# Altium PCB SEM_BMSv1.3.PcbDoc (part 2 of 2)
Units mil, origin at the board's own origin, x right, y up, seen from the top; angles counter-clockwise.
Board outline 3900 x 3900 mil, 4 copper layers (Top Layer, Signal Layer 2, Signal Layer 1, Bottom Layer), stack 30.634 mil thick; 237 components, 168 nets, 700 pads, 237 vias.
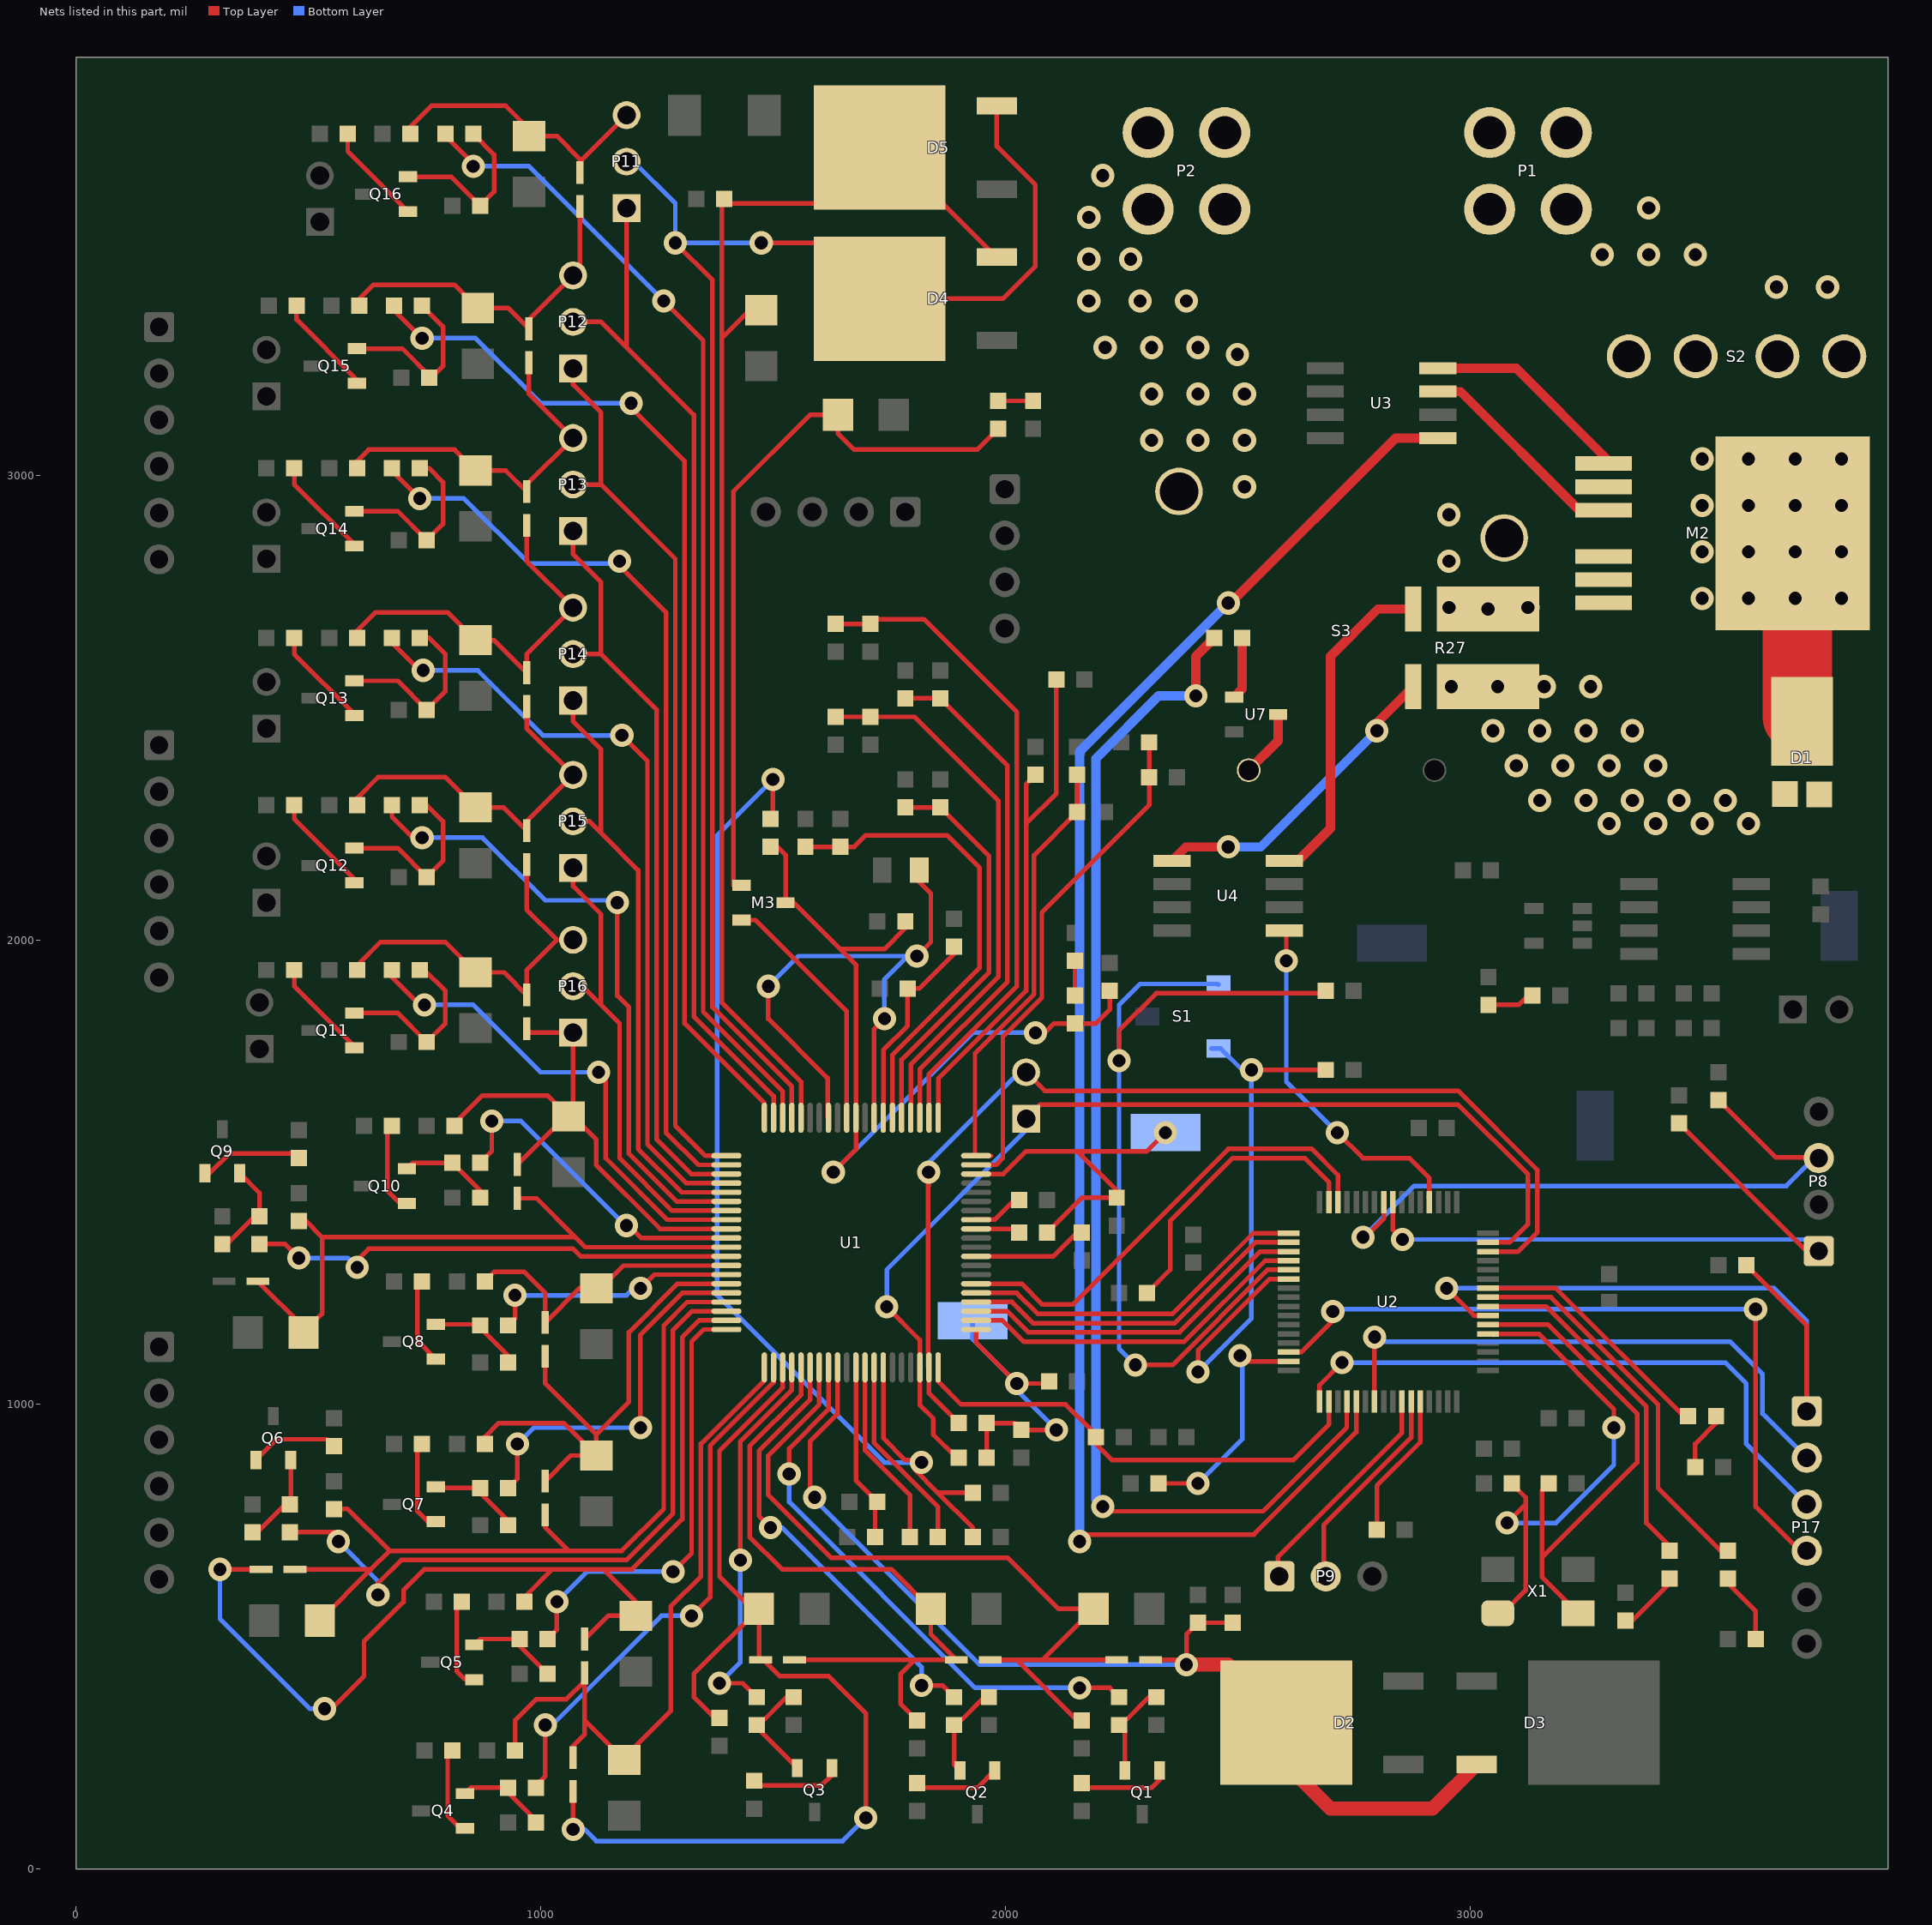
[diagram p4: the nets of this part, all layers, seen from the top]

## Via types
v1: diameter 50, hole 28, Top Layer to Bottom Layer, 162 vias
v2: diameter 50, hole 28, Top Layer to Signal Layer 2, 51 vias
v3: diameter 40, hole 20, Top Layer to Bottom Layer, 16 vias
v4: diameter 300, hole 150, Top Layer to Bottom Layer, 4 vias
v5: diameter 160, hole 118, Top Layer to Bottom Layer, 4 vias

## Nets (pads, with @x,y where several pads share a name; then routed paths per layer and width w, separated by ;. In a path a pad name is that pad's centre, name@x,y a point inside that pad or via, vN(x,y) a via of type N, cw(c..) or ccw(c..) an arc to the next point about the centre after c; other vN are vias at no path point) (continued)
CHARGE: R21.2 S1.1 U2.37 | length 1973
  Top Layer w10: v1(2245,1740) 2245,1805 2325,1885 2685,1885 R21.2@2690,1890 ; v1(2280,1085) 2360,1085 2564.69,1289.69 2600,1289.69 U2.37@2599.69,1290
  Bottom Layer w10: v1(2280,1085) 2245,1120 v1(2245,1740) 2245,1860 2290,1905 2458,1905 S1.1@2459,1904
DISCHARGE: R22.2 S1.3 U2.38 | length 1303.6
  Top Layer w10: v1(2415,1070) 2415,1115.96 2569.04,1270 U2.38@2600,1270 ; v1(2530,1720) 2530,1731.8 v1@2533.2,1735 ; R22.2@2685,1720 2545.7,1720 2539.26,1727.72 2533.94,1734.11 v1@2533.2,1735 ; v1@2533.2,1735 2525,1735 2529.1,1739.92 v1@2533.2,1735
  Bottom Layer w10: v1@2415,1080 v1(2415,1070) 2530,1185 v1(2530,1720) 2510,1720 2464,1766 S1.3@2459,1766 S1.3@2444,1766
EQ1: R37.1 U1.28 | length 1218.6
  Top Layer w10: v1(1535,850) 1535,905 1619.49,989.49 U1.28@1619.49,1079.66 ; v1(2160,390) 2225,390 R37.1@2245,370
  Bottom Layer w10: v1@1545,850 v1(1535,850) 1535,790 1935,390 v1(2160,390)
EQ2: R41.1 U1.26 | length 970.2
  Top Layer w10: v1(1495,735) 1470,760 1470,900 1580.12,1010.12 U1.26@1580.12,1079.66 ; v1(1820,395) 1865,395 R41.1@1890,370
  Bottom Layer w10: v1(1495,735) 1520,735 1820,435 v1(1820,395)
EQ3: R45.1 U1.24 | length 836.6
  Top Layer w10: v1(1385,400) 1435,400 R45.1@1465,370 ; v1(1430,665) 1430,920 1540.75,1030.75 U1.24@1540.75,1079.66
  Bottom Layer w10: v1(1385,400) 1430,445 v1(1430,665)
EQ4: R49.1 U1.22 | length 1163.3
  Top Layer w10: R49.1@990,175 990,180 1010,200 v1(1010,310) ; v1(1325,545) 1365,585 1365,910.96 1501.38,1047.34 U1.22@1501.38,1079.66
  Bottom Layer w10: v1(1010,310) 1025,310 1260,545 v1(1325,545)
EQ5: R53.1 U1.20 | length 932.7
  Top Layer w10: R53.1@1015,495 1035,515 v1(1035,575) ; v1(1285,640) 1325,680 1325,1135 1351.26,1161.26 U1.20@1370,1161.26
  Bottom Layer w10: v1(1035,575) 1100,640 v1(1285,640)
EQ6: R57.1 U1.18 | length 1492.5
  Top Layer w10: R57.1@460,725 555,725 v1@575,705 ; v1(650,590) 650,615 700,665 1185,665 1285,765 1285,1160 1325.63,1200.63 U1.18@1370,1200.63
  Bottom Layer w10: v1(565,705) 650,620 v1(650,590)
EQ7: R61.1 U1.16 | length 775.1
  Top Layer w10: R61.1@930,820 950,840 v1(950,915) ; v1(1215,950) 1215,1150 1305,1240 U1.16@1370,1240
  Bottom Layer w10: v1(950,915) 985,950 v1(1215,950)
EQ8: R65.1 U1.14 | length 520.8
  Top Layer w10: R65.1@930,1170 945,1185 v1(945,1235) ; v1(1215,1250) 1244.37,1279.37 U1.14@1370,1279.37
  Bottom Layer w10: v1(945,1235) 1185,1235 1207.5,1257.5 v1(1215,1250)
EQ9: R69.1 U1.12 | length 1027.8
  Top Layer w10: R69.1@395,1345 450,1345 v1(480,1315) ; v1(605,1295) 605,1310 630,1335 1070,1335 1086.26,1318.74 U1.12@1370,1318.74
  Bottom Layer w10: v1(480,1315) 585,1315 v1(605,1295)
EQ10: R73.1 U1.10 | length 686.8
  Top Layer w10: R73.1@870,1520 895,1545 v1(895,1610) ; v1(1185,1385) 1185,1390 1216.89,1358.11 U1.10@1370,1358.11
  Bottom Layer w10: v1(895,1610) 957.5,1610 1182.5,1385 v1(1185,1385)
EQ11: R77.1 U1.8 | length 1021
  Top Layer w10: R77.1@680,1935 680,1920 740,1860 v1(750,1860) ; v1(1125,1715) 1140,1700 1140,1530 1272.52,1397.48 U1.8@1370,1397.48
  Bottom Layer w10: v1(750,1860) 855,1860 1000,1715 v1(1125,1715)
EQ12: R81.1 U1.6 | length 1359.7
  Top Layer w10: R81.1@680,2290 680,2265 725,2220 v1(745,2220) ; v1(1165,2080) 1165,1880 1190,1855 1190,1540 1293.15,1436.85 U1.6@1370,1436.85
  Bottom Layer w10: v1(745,2220) 875,2220 1010,2085 1160,2085 v1(1165,2080)
EQ13: R85.1 U1.4 | length 1665.3
  Top Layer w10: R85.1@680,2650 680,2640 740,2580 v1(747.5,2580) ; v1(1175,2440) 1230,2385 1230,1560 1313.78,1476.22 U1.4@1370,1476.22
  Bottom Layer w10: v1(747.5,2580) 865,2580 1005,2440 v1(1175,2440)
EQ14: R89.1 U1.2 | length 1980.1
  Top Layer w10: R89.1@680,3015 680,3010 v1(740,2950) ; v1(1170,2815) 1170,2805 1270,2705 1270,1585 1339.41,1515.59 U1.2@1370,1515.59
  Bottom Layer w10: v1(740,2950) 835,2950 975,2810 1165,2810 v1(1170,2815)
EQ15: R93.1 U1.80 | length 2274.5
  Top Layer w10: R93.1@685,3365 685,3355 v1(745,3295) ; v1(1195,3155) 1195,3145 1310,3030 1310,1820 1481.69,1648.31 U1.80@1481.69,1617.06
  Bottom Layer w10: v1(745,3295) 860,3295 1000,3155 v1(1195,3155) v1@1195,3170
EQ16: R97.1 U1.78 | length 2494
  Top Layer w10: R97.1@795,3735 795,3730 855,3670 v1(855,3665) ; v1(1265,3375) 1350,3290 1350,1845 1521.06,1673.94 U1.78@1521.06,1617.06
  Bottom Layer w10: v1@850,3655 855,3660 v1(855,3665) 975,3665 v1@1260,3380
ESW1: P8.1 R19.1 U2.24 | length 1399.9
  Top Layer w10: U2.24@2834.25,1445.2 U2.24@2834.25,1435.35 2834.25,1375.75 v1(2855,1355) ; R19.1@3450,1605 3720,1335 P8.1@3743,1335
  Bottom Layer w10: v1(2855,1355) 3723,1355 P8.1@3743,1335
ESW2: P8.3 R20.1 U2.25 | length 1409.8
  Top Layer w10: v1(2770,1360) 2775,1360 2814.57,1399.57 U2.25@2814.57,1445.2 ; R20.1@3535,1655 3658,1532 P8.3@3743,1532
  Bottom Layer w10: v1(2770,1360) 2880,1470 3681,1470 P8.3@3743,1532
FAULT_N: R5.2 U1.40 U2.50 | length 1023.9
  Top Layer w10: U1.40@1855.71,1079.66 1855.71,1049.29 1905,1000 2130,1000 R5.2@2187.5,942.5 ; R5.2@2185,940 R5.2@2200,940 ; R5.2@2195,930 2195,915 2230,880 2620,880 2696.46,956.46 U2.50@2696.46,996.38
GPIO1: U1.46 U2.30 | length 1008
  Top Layer w10: U1.46@1937.4,1259.78 2035.22,1259.78 2080,1215 2145,1215 2480,1550 2660,1550 2716.14,1493.86 U2.30@2716.14,1445.2
GPIO2: U1.45 U2.33 | length 753.1
  Top Layer w10: U1.45@1937.4,1240.09 2024.91,1240.09 2070,1195 2360,1195 2533.43,1368.43 U2.33@2600,1368.43
GPIO3: U1.44 U2.34 | length 753.4
  Top Layer w10: U1.44@1937.4,1220.41 2014.59,1220.41 2060,1175 2365,1175 2538.74,1348.74 U2.34@2600,1348.74
GPIO4: U1.43 U2.35 | length 753.4
  Top Layer w10: U1.43@1937.4,1200.72 2004.28,1200.72 2049.68,1155.32 2375.32,1155.32 2549.06,1329.06 U2.35@2600,1329.06
GPIO5: U1.42 U2.36 | length 754.6
  Top Layer w10: U1.42@1937.4,1181.04 1993.96,1181.04 2040.32,1134.68 2384.68,1134.68 2559.37,1309.37 2600,1309.37 U2.36@2599.69,1309.68
HP+: P1.2 P1.4 S2.1
  other v1: 3660,3405 3770,3405 3285,3475 3385,3475 3485,3475 3385,3575
HP-: P1.1 P1.3 P2.2 P2.4
I2C_SCL: P9.1 U2.58 | length 475.2
  Top Layer w10: P9.1@2590,639 2587,636 2587,672 2853.94,938.94 U2.58@2853.94,996.38
I2C_SDA: P9.2 U2.59 | length 438.1
  Top Layer w10: P9.2@2686,636 2686,741 2873.62,928.62 U2.59@2873.62,996.38
LED2: D7.1 U2.8 | length 741.3
  Top Layer w10: U2.8@3048.82,1210.94 3164.06,1210.94 3380,995 3380,745 D7.1@3430,695
LED3: D8.1 U2.9 | length 837.6
  Top Layer w10: U2.9@3048.82,1230.63 3174.37,1230.63 3405,1000 3405,820 3540,685 D8.1@3555,685
LED4: D9.1 U2.10 | length 525.2
  Top Layer w10: U2.10@3048.82,1250.32 3184.69,1250.32 D9.1@3460,975
M1IN: D1.2 M2.D S2.2 | length 354.4
  Top Layer w30: D1.2@3705,2480 D1.2@3715,2470
  Top Layer w150: D1.2@3705,2480 M2.D@3705,2820.24
  other v1: 3500,2735 3600,2735 3700,2735 3800,2735 3500,2835 3600,2835 3700,2835 3800,2835 3500,2935 3600,2935 3700,2935 3800,2935 3500,3035 3600,3035 3700,3035 3800,3035
NetC1_1: C1.1 R39.1 U1.27 Z1.2 Z2.1 | length 1743.2
  Top Layer w10: U1.27@1599.8,1079.66 1599.8,999.8 1490,890 1490,805 1625,670 2005,670 2115,560 C1.1@2190,560 2080,450 ; Z2.1@1967.83,450 2025,450 ; R39.1@2165,320 2155,320 2025,450 ; Z1.2@2240,450 2080,450 ; 2025,450 2080,450
NetC2_1: C2.1 R43.1 U1.25 Z2.2 Z3.1 | length 1502.9
  Top Layer w10: Z3.1@1546.42,450 1805,450 ; U1.25@1560.43,1079.66 1560.43,1020.43 1450,910 1450,715 1520,645 1755,645 C2.1@1840,560 1840,505 Z2.2@1895,450 1805,450 ; R43.1@1810,320 1775,355 1775,420 1805,450
NetC3_1: C3.1 R47.1 U1.23 Z3.2 Z4.1 | length 2295.4
  Top Layer w10: v1(1070,85) Z4.1@1070,167.17 ; R47.1@1385,325 1375,325 1330,370 1330,420 C3.1@1470,560 ; U1.23@1521.06,1079.66 1521.06,1036.06 1385,900 1385,630 1455,560 C3.1@1470,560 ; v1(1700,110) 1700,335 1620,415 1515,415 1480,450 Z3.2@1473.58,450 1470,453.58 C3.1@1470,560
  Bottom Layer w10: v1(1070,85) 1095,85 1120,60 1650,60 v1(1700,110)
NetC4_1: C4.1 R51.1 U1.21 Z4.2 Z5.1 | length 1532.6
  Top Layer w10: R51.1@945,255 945,320 990,365 1055,365 Z5.1@1095,405 ; Z4.2@1070,240 1070,265 1095,290 1095,320 ; Z5.1@1095,422.17 Z5.1@1095,405 ; U1.21@1481.69,1079.66 1481.69,1051.69 1345,915 1345,630 1280,565 1280,340 1180,240 C4.1@1180,235 1095,320 ; 1095,320 Z5.1@1095,405
NetC5_1: C5.1 R55.1 U1.19 Z5.2 Z6.1 | length 2324.3
  Top Layer w10: v1(310,645) Z6.1@398.58,645 ; v1(535,345) 550,345 620,415 620,490 705,575 705,600 750,645 1025,645 ; R55.1@965,575 965,585 1025,645 ; Z5.2@1095,495 1145,545 C5.1@1205,545 1205,575 1135,645 ; U1.19@1370,1180.94 1340.94,1180.94 1305,1145 1305,753 1197,645 1135,645 ; 1025,645 1135,645
  Bottom Layer w10: v1(310,645) 310,538.43 503.43,345 v1(535,345)
NetC6_1: C6.1 R59.1 U1.17 Z6.2 Z7.1 | length 1801
  Top Layer w10: Z6.2@471.42,645 635,645 ; C6.1@525,505 C6.1@547,505 ; C6.1@525,535 635,645 ; R59.1@555,775 585,775 675,685 ; Z7.1@1010,762.17 1010,735 1060,685 ; U1.17@1370,1220.32 1315.32,1220.32 1265,1170 1265,775 1175,685 1060,685 ; 635,645 675,685 ; 675,685 1060,685
NetC7_1: C7.1 R63.1 U1.15 Z7.2 Z8.1 | length 1160.7
  Top Layer w10: R63.1@880,915 880,930 910,960 1050,960 C7.1@1120,890 ; Z7.2@1010,835 1065,890 C7.1@1120,890 ; Z8.1@1010,1103.58 1010,1045 1120,935 ; U1.15@1370,1259.68 1294.68,1259.68 1190,1155 1190,1005 1120,935 ; C7.1@1120,890 1120,935
NetC8_1: C8.1 R67.1 U1.13 Z8.2 | length 628.2
  Top Layer w10: R67.1@880,1265 900,1285 965,1285 1010,1240 Z8.2@1010,1176.42 1083.58,1250 C8.1@1120,1250 ; C8.1@1125,1245 1178.69,1298.69 U1.13@1370,1298.69
NetC9_1: C9.1 R71.1 U1.11 Z9.2 Z10.1 | length 1445.5
  Top Layer w10: Z9.2@391.42,1265 490,1166.42 C9.1@490,1155 530,1195 530,1360 ; R71.1@480,1395 495,1395 530,1360 ; Z10.1@950,1443.58 991.42,1443.58 1075,1360 ; U1.11@1370,1338.43 1096.57,1338.43 1075,1360 ; 530,1360 1075,1360
NetC17_1: C17.1 D4.3 D5.2 R1.1 U1.76 | length 2894.1
  Top Layer w10: R1.1@1390,3595 1390,3295 ; R1.1@1395,3595 1405,3585 1610,3585 D5.2@1730,3705 1745,3705 D4.3@1981.1,3468.9 ; C17.1@1475,3350 1445,3350 1390,3295 ; U1.76@1560.43,1617.06 1560.43,1694.57 1390,1865 1390,3295
NetC18_2: C18.2 D2.2 D3.3 R35.1 U1.29 Z1.1 | length 2400.7
  Top Layer w10: v1(1590,800) 1580,810 1580,920 1639.17,979.17 U1.29@1639.17,1079.66 ; Z1.1@2312.83,450 2380,450 v1(2390,440) 2390,505 R35.1@2415,530 C18.2@2490,530 ; D2.2@2480,440 D2.2@2605,315 D2.2@2605,225
  Top Layer w30: v1(2390,440) D2.2@2480,440 ; D2.2@2605,225 2700,130 2919.57,130 D3.3@3014.8,225.24
  Bottom Layer w10: v1(1590,800) 1590,815 1580,805 1945,440 v1(2390,440)
NetC19_1: C19.1 U1.32 | length 404.7
  Top Layer w10: U1.32@1698.23,1079.66 1698.23,901.77 1795,805 C19.1@1795,715
NetC19_2: C19.2 U1.33 | length 421.4
  Top Layer w10: U1.33@1717.91,1079.66 1717.91,917.09 1855,780 C19.2@1855,715
NetC20_2: C20.2 U1.68 U1.73 | length 1269.1
  Top Layer w10: v1(1490,1900) 1490,1830 1617.71,1702.29 1617.71,1618.84 U1.73@1619.49,1617.06 ; U1.68@1717.91,1617.06 1717.91,1807.91 v1(1740,1830) ; v1(1810,1965) 1840,1995 1840,2100 1815,2125 C20.2@1815,2150
  Bottom Layer w10: v1(1490,1900) 1555,1965 v1@1790,1965 ; v1(1740,1830) 1740,1915 v1@1790,1965 ; v1(1810,1965) v1@1790,1965
NetC21_2: C21.2 R8.2 U1.59 | length 1089
  Top Layer w10: U1.59@1937.4,1515.68 1980.68,1515.68 1995,1530 1995,1791.92 2079,1875.92 2079,2059 2310,2290 R8.2@2310,2350 C21.2@2310,2425
NetC22_2: C22.2 R9.2 U1.60 | length 944.5
  Top Layer w10: 1970,1535 1937.77,1535 U1.60@1937.4,1535.37 1935,1537.77 1935,1755.96 2062,1882.96 2062,2182 C22.2@2155,2275 R9.2@2155,2355
NetC23_2: C23.2 R10.2 U1.61 | length 1161.6
  Top Layer w10: U1.61@1855.71,1617.06 1855.71,1700.71 2045,1890 2045,2250 ; C23.2@2065,2355 2045,2335 2045,2250 ; R10.2@2110,2560 2110,2315 2045,2250
NetC24_2: C24.2 R11.2 U1.62 | length 1428.2
  Top Layer w10: R11.2@1635,2680 C24.2@1710,2680 1720,2690 1825,2690 2025,2490 2025,1900 1836.02,1711.02 U1.62@1836.02,1617.06
NetC25_2: C25.2 R12.2 U1.63 | length 1116.1
  Top Layer w10: R12.2@1785,2520 C25.2@1860,2520 2005,2375 2005,1910 1816.34,1721.34 U1.63@1816.34,1617.06
NetC26_2: C26.2 R13.2 U1.64 | length 1185.5
  Top Layer w10: R13.2@1635,2480 C26.2@1710,2480 1805,2480 1985,2300 1985,1920 1796.65,1731.65 U1.64@1796.65,1617.06
NetC27_2: C27.2 R14.2 U1.65 | length 864.3
  Top Layer w10: U1.65@1776.97,1617.06 1776.97,1741.97 1965,1930 1965,2180 C27.2@1860,2285 R14.2@1785,2285
NetC28_2: C28.2 R15.2 U1.66 | length 1030
  Top Layer w10: R15.2@1570,2200 C28.2@1645,2200 1675,2200 1700,2225 1875,2225 1945,2155 1945,1940 1757.28,1752.28 U1.66@1757.28,1617.06
NetC29_1: C29.1 M3.1 R17.2 | length 1559.1
  Top Layer w10: M3.1@1415,2117.4 1415,2965 1580,3130 C29.1@1640,3130 1640,3090 1675,3055 1940,3055 R17.2@1985,3100
NetC31_2: C31.2 C32.2 U1.67 | length 445.7
  Top Layer w10: U1.67@1737.6,1617.06 1737.6,1762.6 1790,1815 C31.2@1790,1895 1815,1895 1890,1970 C32.2@1890,1985
NetC38_2: C38.2 C39.2 U1.31 | length 386
  Top Layer w10: U1.31@1678.54,1079.66 1678.54,836.46 C39.2@1725,790 1720,785 C38.2@1720,715
NetC43_2: C43.2 U2.47 | length 499.4
  Top Layer w10: C43.2@2330,830 v1(2415,830) ; v1(2505,1105) 2517.17,1092.83 U2.47@2600,1092.83
  Bottom Layer w10: v1(2415,830) 2510,925 v1@2510,1105
NetC44_2: C44.2 U2.31 | length 627.7
  Top Layer w10: C44.2@2305,1240 2355,1290 2355,1395 2490,1530 2645,1530 2696.46,1478.54 U2.31@2696.46,1445.2
NetC49_2: C49.2 U2.5 X1.1 | length 1115
  Top Layer w10: U2.5@3050.6,1150.11 3048.82,1151.89 3148.11,1151.89 3310,990 v1(3310,950) ; X1.1@3060,550.51 3070.51,550.51 3120,600 3120,785 ; v1(3080,745) 3120,785 ; C49.2@3090,833 C49.2@3090,830 3120,800 3120,785
  Bottom Layer w10: v1(3080,745) 3185,745 3310,870 v1(3310,950)
NetC50_2: C50.2 U2.6 X1.2 | length 1113.6
  Top Layer w10: U2.6@3048.82,1171.57 3168.43,1171.57 3360,980 3360,875 3155,670 ; C50.2@3160,830 C50.2@3170,830 3155,815 3155,670 ; X1.2@3233.23,550.51 3155,628.74 3155,670
NetC58_1: C58.1 R29.2 | length 75
  Top Layer w10: C58.1@2150,1880 R29.2@2150,1955
NetD7_2: D7.2 R23.1 | length 128.1
  Top Layer w10: R23.1@3335,535 3350,535 D7.2@3430,615
NetD8_2: D8.2 R24.1 | length 144.9
  Top Layer w10: D8.2@3555,615 3615,555 R24.1@3615,495
NetD9_2: D9.2 R25.1 | length 128.6
  Top Layer w10: R25.1@3485,865 3485,915 3530,960 D9.2@3530,975
NetD10_2: D10.2 R28.1 | length 93.3
  Top Layer w10: R28.1@3040,1860 3105,1860 D10.2@3125,1880
NetM2_G: M2.G U3.4 | length 454.3
  Top Layer w10: M2.G@3293.94,3025 M2.G@3293.94,3036.06
  Top Layer w20: U3.4@2931,3230 3100,3230 M2.G@3293.94,3036.06
NetM3_2: M3.2 U1.71 | length 536.6
  Top Layer w10: M3.2@1432.76,2042.6 1462.4,2042.6 1658.86,1846.14 U1.71@1658.86,1617.06
NetP2_1: P2.1 P2.3 S3.4
  other v1: 2515,2975 2315,3075 2415,3075 2515,3075 2315,3175 2415,3175 2515,3175 2500,3260 2215,3275 2315,3275 2415,3275 2180,3375 2290,3375 2390,3375 2180,3465 2270,3465 2180,3555 2210,3645
NetQ1_1: Q1.1 R38.1 | length 198.6
  Top Layer w10: R38.1@2165,185 2175,175 2315,175 2332.4,192.4 Q1.1@2332.4,212.24
NetQ1_2: Q1.2 R36.1 R37.2 | length 207.8
  Top Layer w10: Q1.2@2257.6,212.24 2257.6,297.4 R37.2@2245,310 2250,310 2310,370 R36.1@2325,370
NetQ2_1: Q2.1 R42.1 | length 187
  Top Layer w10: R42.1@1810,185 1820,175 1940.16,175 Q2.1@1977.4,212.24
NetQ2_2: Q2.2 R40.1 R41.2 | length 202.8
  Top Layer w10: Q2.2@1902.6,212.24 1890,224.84 R41.2@1890,310 1895,310 1955,370 R40.1@1965,370
NetQ3_1: Q3.1 R46.1 | length 195.7
  Top Layer w10: R46.1@1460,190 1470,180 1605,180 1627.4,202.4 Q3.1@1627.4,217.24
NetQ3_2: Q3.2 R44.1 R45.2 | length 233.9
  Top Layer w10: R44.1@1545,370 1530,370 1470,310 R45.2@1465,310 1465,304.84 Q3.2@1552.6,217.24
NetQ4_1: Q4.1 R50.1 | length 192.7
  Top Layer w10: R50.1@810,255 800,245 800,115 825,90 834.84,90 Q4.1@837.24,87.6
NetQ4_2: Q4.2 R48.1 R49.2 | length 197.8
  Top Layer w10: Q4.2@837.24,162.4 849.84,175 R49.2@930,175 930,165 990,105 R48.1@990,100
NetQ5_1: Q5.1 R54.1 | length 198.6
  Top Layer w10: R54.1@830,575 820,565 820,425 835,410 854.84,410 Q5.1@857.24,407.6
NetQ5_2: Q5.2 R52.1 R53.2 | length 202.8
  Top Layer w10: Q5.2@857.24,482.4 869.84,495 R53.2@955,495 955,480 R52.1@1015,420
NetQ6_1: Q6.1 R58.1 | length 192
  Top Layer w10: Q6.1@387.6,880.51 432.09,925 540,925 R58.1@555,910
NetQ6_2: Q6.2 R56.1 R57.2 | length 201.4
  Top Layer w10: R56.1@380,725 390,725 450,785 R57.2@460,785 462.4,787.4 Q6.2@462.4,880.51
NetQ7_1: Q7.1 R62.1 | length 197.9
  Top Layer w10: R62.1@745,915 735,905 735,770 757.4,747.6 Q7.1@774.49,747.6
NetQ7_2: Q7.2 R60.1 R61.2 | length 201.4
  Top Layer w10: Q7.2@774.49,822.4 776.89,820 R61.2@870,820 870,810 930,750 R60.1@930,740
NetQ8_1: Q8.1 R66.1 | length 187.9
  Top Layer w10: R66.1@745,1265 735,1255 735,1137.09 Q8.1@774.49,1097.6
NetQ8_2: Q8.2 R64.1 R65.2 | length 201.4
  Top Layer w10: Q8.2@774.49,1172.4 867.6,1172.4 R65.2@870,1170 870,1165 930,1105 R64.1@930,1090
NetQ9_1: Q9.1 R70.1 | length 224
  Top Layer w10: Q9.1@277.6,1497.76 287.76,1497.76 330,1540 470,1540 R70.1@480,1530
NetQ9_2: Q9.2 R68.1 R69.2 | length 215.3
  Top Layer w10: R68.1@315,1345 325,1345 385,1405 R69.2@395,1405 395,1455.16 Q9.2@352.4,1497.76
NetQ10_1: Q10.1 R74.1 | length 197.7
  Top Layer w10: R74.1@680,1600 670,1590 670,1460 697.4,1432.6 Q10.1@712.24,1432.6
NetQ10_2: Q10.2 R72.1 R73.2 | length 202.8
  Top Layer w10: Q10.2@712.24,1507.4 724.84,1520 R73.2@810,1520 870,1460 R72.1@870,1445
NetQ11_1: Q11.1 R78.1 | length 221
  Top Layer w10: R78.1@470,1935 470,1900 599.49,1770.51 Q11.1@599.49,1767.6
NetQ11_2: Q11.2 R76.1 R77.2 | length 381.6
  Top Layer w10: Q11.2@599.49,1842.4 692.6,1842.4 R76.1@755,1780 795,1820 795,1890 750,1935 R77.2@740,1935
NetQ12_1: Q12.1 R82.1 | length 221
  Top Layer w10: R82.1@470,2290 470,2260 599.49,2130.51 Q12.1@599.49,2122.6
NetQ12_2: Q12.2 R80.1 R81.2 | length 380.4
  Top Layer w10: Q12.2@599.49,2197.4 692.6,2197.4 R80.1@755,2135 790,2170 790,2255 755,2290 R81.2@740,2290
NetQ13_1: Q13.1 R86.1 | length 221
  Top Layer w10: R86.1@470,2650 470,2615 599.49,2485.51 Q13.1@599.49,2482.6
NetQ13_2: Q13.2 R84.1 R85.2 | length 387.4
  Top Layer w10: Q13.2@599.49,2557.4 692.6,2557.4 R84.1@755,2495 795,2535 795,2615 760,2650 R85.2@740,2650
NetQ14_1: Q14.1 R90.1 | length 221
  Top Layer w10: R90.1@470,3015 470,2980 599.49,2850.51 Q14.1@599.49,2847.6
NetQ14_2: Q14.2 R88.1 R89.2 | length 383.3
  Top Layer w10: Q14.2@599.49,2922.4 692.6,2922.4 R88.1@755,2860 790,2895 790,2985 760,3015 R89.2@740,3015
NetQ15_1: Q15.1 R94.1 | length 221
  Top Layer w10: R94.1@475,3365 475,3335 604.49,3205.51 Q15.1@604.49,3197.6
NetQ15_2: Q15.2 R92.1 R93.2 | length 370.4
  Top Layer w10: Q15.2@604.49,3272.4 702.6,3272.4 765,3210 790,3235 790,3320 R93.2@745,3365
NetQ16_1: Q16.1 R98.1 | length 221
  Top Layer w10: R98.1@585,3735 585,3697.09 Q16.1@714.49,3567.6
NetQ16_2: Q16.2 R96.1 R97.2 | length 367.4
  Top Layer w10: Q16.2@714.49,3642.4 807.6,3642.4 R96.1@870,3580 900,3610 900,3690 R97.2@855,3735
NetR2_2: R2.2 U1.53 | length 114.3
  Top Layer w10: U1.53@1937.4,1397.57 1977.57,1397.57 R2.2@2030,1450
NetR3_2: R3.2 U1.52 | length 95.9
  Top Layer w10: U1.52@1937.4,1377.89 2022.11,1377.89 R3.2@2030,1370
NetR4_2: R4.2 U1.49 | length 248.8
  Top Layer w10: U1.49@1937.4,1318.83 2103.83,1318.83 2155,1370 R4.2@2165,1370
NetR16_2: R16.2 R17.1 | length 75
  Top Layer w10: R17.1@1985,3160 R16.2@2060,3160
NetR26_2: R26.2 U2.60 | length 305
  Top Layer w10: R26.2@2800,730 2800,825 2893.31,918.31 U2.60@2893.31,996.38
NetR27_3: R27.3 U4.8 | length 689.2
  Top Layer w20: U4.8@2630,2170 2700,2240 2700,2610 2802,2712 R27.3@2878,2712
NetR27_4: R27.4 U4.1 | length 684.3
  Top Layer w20: U4.1@2359,2170 2389,2200 v1(2480,2200) ; v1(2800,2450) 2800,2467 R27.4@2878,2545
  Bottom Layer w20: v1(2480,2200) 2550,2200 v1(2800,2450)
NetR30_1: R30.1 U2.52 | length 2680
  Top Layer w10: v1@2205,770 2555,770 2735,950 2735,995.55 U2.52@2735.83,996.38
  Top Layer w20: v1(2410,2525) 2410,2610 R30.1@2450,2650
  Bottom Layer w20: v1(2210,780) 2195,795 2195,2390 2330,2525 v1(2410,2525)
NetR30_2: R30.2 U7.1 | length 134.7
  Top Layer w20: U7.1@2492.76,2522.4 2510,2539.65 R30.2@2510,2650
NetS3_2: S3.2 U7.3 | length 146.2
  Top Layer w20: S3.2@2524,2365 2587.24,2428.24 U7.3@2587.24,2485
NetU2_20: U2.20 U4.5 | length 765.1
  Top Layer w10: U4.5@2601,2020 2605,2016 v1(2605,1955) ; v1(2715,1585) 2770,1530 2870,1530 2912.99,1487.01 2912.99,1445.2 U2.20@2911.21,1446.98
  Bottom Layer w10: v1(2605,1955) 2605,1695 v1(2715,1585)
NetU2_53: U2.53 U3.1 | length 3481.1
  Top Layer w10: v1@2160,720 2535,720 2755.51,940.51 U2.53@2755.51,1006.22
  Top Layer w20: v1(2480,2725) 2485,2725 2840,3080 U3.1@2931,3080
  Bottom Layer w20: v1@2160,720 2160,2405 v1@2475,2720
  other v1: 2160,705
NRST: C40.2 P17.1 U2.7 | length 1491
  Top Layer w10: v1(2950,1250) 3008.74,1191.26 U2.7@3048.82,1191.26 ; C40.2@3595,1300 3725,1170 P17.1@3725,985
  Bottom Layer w10: v1(2950,1250) 3655,1250 3725,1180 P17.1@3725,985
RELAYIN: R27.1 S3.3
  other v1: 3039,2712 2955,2715 3125,2715 2955,2815 2955,2915
RSENSEIN: D1.1 M2.S R27.2 U3.3 | length 482.7
  Top Layer w10: U3.3@2911,3180 U3.3@2931,3180
  Top Layer w20: U3.3@2931,3180 2980,3180 3235,2925 M2.S@3288.03,2925
  other v1: 3300,2250 3400,2250 3500,2250 3600,2250 3150,2300 3250,2300 3350,2300 3450,2300 3550,2300 3100,2375 3200,2375 3300,2375 3400,2375 3050,2450 3150,2450 3250,2450 3350,2450 2960,2545 3060,2545 3160,2545 3260,2545
SWCLK: P17.3 U2.49 | length 1316.1
  Top Layer w10: U2.49@2676.77,996.38 2676.77,1041.77 v1(2725,1090)
  Bottom Layer w10: v1(2725,1090) 3550,1090 3595,1045 3595,915 P17.3@3725,785
SWDIO: P17.4 U2.46 | length 1661.8
  Top Layer w10: U2.46@2600,1112.52 2637.52,1112.52 2710,1185 2705,1190 v1(2705,1200) ; v1@3615,1195 3615,780 P17.4@3725,670
  Bottom Layer w10: v1@2705,1195 2715,1205 v1(3615,1205) v1@3635,1205
SWO: P17.2 U2.55 | length 1236.2
  Top Layer w10: U2.55@2794.88,996.38 2794.88,1144.88 v1(2795,1145)
  Bottom Layer w10: v1(2795,1145) 2805,1135 3560,1135 3630,1065 3630,980 P17.2@3725,885
"UART TX BMS": P18.1 R6.2 U1.38 U2.15 | length 2275.5
  Top Layer w10: v1(1745,1210) 1816.34,1138.66 U1.38@1816.34,1079.66 1816.34,998.66 1845,970 1845,935 1895,885 R6.2@1900,885 ; P18.1@2045,1615 2075,1645 2975,1645 3125,1495 3125,1387.85 3085.89,1348.74 U2.15@3048.82,1348.74
  Bottom Layer w10: v1(1745,1210) 1745,1290 2045,1590 P18.1@2045,1615
"UART TX STM": P18.2 R7.2 U1.39 U2.14 | length 2326.1
  Top Layer w10: v1(1835,1500) 1834.24,1499.24 1834.24,1081.44 U1.39@1836.02,1079.66 1836.02,1023.98 R7.2@1900,960 ; P18.2@2045,1715 2085,1675 2975,1675 3145,1505 3145,1370 3104.06,1329.06 U2.14@3048.82,1329.06
  Bottom Layer w10: v1@1830,1515 P18.2@2037.5,1722.5 ; 1835,1470 v1(1835,1500)
V5VAO: C33.2 R3.1 TPV5VAO.1 U1.58 | length 760.7
  Top Layer w10: U1.58@1937.4,1496 1996,1496 2045,1545 2155,1545 ; R3.1@2090,1370 2165,1445 C33.2@2240,1445 2240,1460 2155,1545 ; v1(2345,1585) 2305,1545 2155,1545
VDIG: C36.2 C37.2 R18.1 U1.34 | length 2372
  Top Layer w10: R18.1@1500,2260 v1(1500,2345) ; U1.34@1737.6,1079.66 1737.6,927.4 1785,880 1815,880 v1(1820,875) ; v1@1805,860 1855,810 ; C36.2@1930,715 1930,735 1855,810 ; C37.2@1930,810 1855,810
  Bottom Layer w10: v1@1510,2345 v1(1500,2345) 1380,2225 1380,1235 1740,875 v1(1820,875)
VIO: C34.2 C35.2 R6.1 R7.1 TPVIO.1 U1.41 | length 777.6
  Top Layer w10: U1.41@1937.4,1161.35 1937.4,1132.6 v1(2025,1045) ; R6.1@1960,885 R7.1@1960,960 2020,960 C35.2@2035,945 v1(2110,945) ; v1@2035,1055 v1(2025,1045) ; C34.2@2095,1045 v1(2025,1045)
  Bottom Layer w10: TPVIO.1@1930,1180 1930,1140 v1(2025,1045) 2025,1030 v1(2110,945)
VP: C30.2 C57.2 C58.2 M3.3 R18.2 U1.70 | length 1753.9
  Top Layer w10: R18.2@1510,2200 1527.24,2182.76 M3.3@1527.24,2080 1545,2080 1645,1980 ; v1(1630,1500) 1678.54,1548.54 U1.70@1678.54,1617.06 1678.54,1946.46 1645,1980 ; C30.2@1785,2040 1785,2025 1740,1980 1645,1980 ; v1(2065,1800) 2085,1800 2105,1820 C58.2@2150,1820 2195,1820 2225,1850 C57.2@2225,1890
  Bottom Layer w10: v1(1630,1500) 1930,1800 v1(2065,1800)
VS11: P15.1 P16.2 U1.7 | length 989.7
  Top Layer w10: P16.2@1070,1900 1090,1900 1130,1860 ; P15.1@1070,2155 1070,2115 1130,2055 1130,1860 ; U1.7@1370,1417.17 1282.83,1417.17 1170,1530 1170,1820 1130,1860
VS12: P14.1 P15.2 U1.5 | length 1292.1
  Top Layer w10: P15.2@1070,2255 1105,2255 1130,2230 ; P14.1@1070,2515 1070,2470 1130,2410 1130,2230 ; U1.5@1370,1456.54 1303.46,1456.54 1210,1550 1210,2150 1130,2230
VS13: P13.1 P14.2 U1.3 | length 1595.2
  Top Layer w10: P14.2@1070,2615 1130,2615 ; P13.1@1070,2880 1070,2830 1130,2770 1130,2615 ; U1.3@1370,1495.91 1324.09,1495.91 1250,1570 1250,2495 1130,2615
VS14: P12.1 P13.2 U1.1 | length 1887.9
  Top Layer w10: P13.2@1070,2980 1130,2980 ; P12.1@1070,3230 1070,3195 1130,3135 1130,2980 ; U1.1@1370,1535.28 1354.72,1535.28 1290,1600 1290,2820 1130,2980
VS15: P11.1 P12.2 U1.79 | length 2226.8
  Top Layer w10: P12.2@1070,3330 1130,3330 1185,3275 ; P11.1@1185,3575 1185,3275 ; U1.79@1501.38,1617.06 1501.38,1663.62 1330,1835 1330,3130 1185,3275
VS16: D4.2 D5.3 P11.2 U1.77 | length 3583.4
  Top Layer w10: P11.2@1185,3675 P11.2@1200,3675 ; v1(1290,3500) 1370,3420 1370,1855 1540.75,1684.25 U1.77@1540.75,1617.06 ; v1(1475,3500) 1610,3500 D4.2@1730,3380 ; D4.2@1683.23,3480 1783.23,3380 1995,3380 2065,3450 2065,3625 1981.97,3708.03 D5.3@1981.97,3794.76 D5.3@2015.24,3794.76
  Bottom Layer w10: P11.2@1185,3675 1200,3675 1290,3585 v1(1290,3500) v1(1475,3500)
VSENSE10: C10.1 P16.1 R75.1 U1.9 Z10.2 Z11.1 | length 1176.6
  Top Layer w10: R75.1@815,1600 815,1605 875,1665 1015,1665 C10.1@1060,1620 ; Z10.2@950,1516.42 1053.58,1620 C10.1@1060,1620 ; Z11.1@970,1808.58 978.58,1800 P16.1@1070,1800 1070,1630 C10.1@1060,1620 ; U1.9@1370,1377.8 1257.2,1377.8 1120,1515 1120,1570 1070,1620 C10.1@1060,1620
VSENSE11: C11.1 P16.3 R79.1 Z11.2 Z12.1 | length 777.4
  Top Layer w10: R79.1@605,1935 605,1945 655,1995 795,1995 C11.1@860,1930 921.42,1930 Z11.2@970,1881.42 970,1935 1035,2000 970,2065 Z12.1@970,2162.17
VSENSE12: C12.1 P15.3 R83.1 Z12.2 Z13.1 | length 796.3
  Top Layer w10: R83.1@605,2290 605,2305 650,2350 795,2350 C12.1@860,2285 920,2285 Z12.2@970,2235 970,2255 P15.3@1070,2355 970,2455 Z13.1@970,2502.17
VSENSE13: C13.1 P14.3 R87.1 Z13.2 Z14.1 | length 850.4
  Top Layer w10: R87.1@605,2650 605,2665 645,2705 800,2705 C13.1@860,2645 900,2645 Z13.2@970,2575 970,2615 P14.3@1070,2715 970,2815 Z14.1@970,2892.17
VSENSE14: C14.1 P13.3 R91.1 Z14.2 Z15.1 | length 785.6
  Top Layer w10: R91.1@605,3015 605,3030 630,3055 815,3055 C14.1@860,3010 925,3010 Z14.2@970,2965 970,2980 P13.3@1070,3080 975,3175 Z15.1@975,3242.17
VSENSE15: C15.1 P12.3 R95.1 Z15.2 Z16.1 | length 740.9
  Top Layer w10: R95.1@610,3365 610,3380 640,3410 815,3410 C15.1@865,3360 930,3360 Z15.2@975,3315 975,3335 P12.3@1070,3430 1085,3445 Z16.1@1085,3578.58
VSENSE16: C16.1 P11.3 R99.1 Z16.2 | length 631.3
  Top Layer w10: R99.1@720,3735 720,3750 765,3795 925,3795 C16.1@990,3730 ; C16.1@975,3730 C16.1@990,3730 ; Z16.2@1085,3651.42 Z16.2@1085,3675 ; P11.3@1185,3775 Z16.2@1085,3675 ; C16.1@990,3730 1035,3730 1085,3680 Z16.2@1085,3675
pads on no net: D2.1 D3.1 D4.1 D5.1 P5.6 U1.36 U1.47 U1.50 U1.51 U1.54 U1.55 U1.56 U1.57 U1.75 U2.2 U2.3 U2.4 U2.11 U2.16 U2.17 U2.21 U2.22 U2.23 U2.26 U2.27 U2.28 U2.29 U2.39 U2.40 U2.41 U2.42 U2.43 U2.44 U2.45 U2.51 U2.54 U2.56 U2.57 U2.61 U2.62 U3.2 U3.5 U3.6 U3.8 U4.3 U5.5 U5.8 U6.4 X1.3 X1.4
copper on no net:
  other v3: 250,135 3650,135 135,250 365,250 3535,250 3765,250 250,365 3650,365 250,3535 3650,3535 135,3650 365,3650 3535,3650 3765,3650 250,3765 3650,3765
  other v4: 250,250 3650,250 250,3650 3650,3650
  other v5: 2122.5,3745 2657.5,3745 2857.5,3745 3392.5,3745

## Polygon pours and split planes (outlines as drawn)
HP+ on Bottom Layer "HPinBOT" (solid, remove dead copper, pour order 37): 3140,3825 3215,3900 3950,3900 3950,3215 3915,3180 3630,3180 3585,3225 3585,3315 3585,3355 3525,3415 3515,3425 3190,3425 3165,3425 3140,3450
M1IN on Bottom Layer "FETinBOT" (solid, remove dead copper, pour order 29): 3550,3313.79 3550,3329.12 3510,3370 3255,3370 3225,3370 3160,3303.57 3160,3140.04 3160,3124.71 3310,2971.4 3315,2966.29 3315,2828.31 3465,2675 3950,2675 3950,3053.16 3920,3083.82 3710,3083.82 3625,3083.82 3550,3160.48
RELAYIN on Bottom Layer "RELin" (solid, remove dead copper, pour order 34): 3145,2665 3220,2740 3220,2910 3115,3015 2895,3015 2770,2890 2770,2730 2770,2705 2810,2665
RSENSEIN on Bottom Layer "RinBOT" (solid, remove dead copper, pour order 31): 2925,2610 2925,2480 2985,2420 3210,2195 3855,2195 3870,2195 3950,2275 3950,2540 3950,2555 3895,2610
NetP2_1 on Bottom Layer "HPoutBOT" (solid, remove dead copper, pour order 27): 2364.88,3785 2364.88,3830 2296.51,3900 1915.58,3900 1861.86,3900 1730,3765 1730,3560 2228.14,3050 2228.14,2975 2228.14,2915 2281.86,2860 2447.91,2860 2550.47,2965 2570,2985 2570,3230 2364.88,3440 2364.88,3485
HP- on Bottom Layer "HP-" (solid, remove dead copper, pour order 25): 2410,3750 2410,3825 2410,3860 2450,3900 3025,3900 3100,3825 3100,3530 3100,3425 3050,3375 2525,3375 2525,3385 2410,3500
HP+ on Top Layer "HPinTOP" (solid, remove dead copper, pour order 22): 3140,3475 3200,3415 3310,3415 3545,3415 3595,3365 3600,3360 3600,3195 3655,3140 3665,3130 3865,3130 3890,3130 3950,3190 3950,3900 3215,3900 3140,3825
RELAYIN on Top Layer "RELinTOP" (solid, remove dead copper, pour order 33): 2930,2665 2930,2945 2955,2970 3100,2970 3140,2930 3170,2900 3170,2665
RSENSEIN on Top Layer "RinTOP" (solid, remove dead copper, pour order 35): 3950,2340 3540,2340 3355,2525 3350,2530 3350,2710 3350,2990 3225,2990 3225,2840 3225,2645 3225,2625 3205,2605 3195,2595 3155,2595 2925,2595 2925,2480 3030,2375 3185,2220 3950,2220
M1IN on Top Layer "M1inTOP" (solid, remove dead copper, pour order 36): 3950,3085 3685,3085 3670,3085 3640,3085 3565,3160 3555,3170 3555,3330 3550,3330 3520,3360 3515,3365 3370,3365 3295,3365 3240,3310 3235,3305 3235,3250 3235,3210 3325,3120 3335,3110 3410,3110 3425,3110 3450,3085 3455,3080 3455,2910 3455,2550 3610,2395 3625,2380 3630,2375 3950,2375
HP- on Top Layer "HP-TOP" (solid, remove dead copper, pour order 23): 2410,3750 2410,3825 2410,3860 2450,3900 3025,3900 3100,3825 3100,3530 3100,3425 3050,3375 2525,3375 2525,3385 2410,3500
NetP2_1 on Top Layer "PoutTOP" (solid, remove dead copper, pour order 38): 2365,3860 2365,3455 2435,3385 2560,3260 2560,2940 2560,2925 2505,2870 2500,2865 2285,2865 2225,2925 2215,2935 2215,3180 2215,3185 2135,3265 2130,3270 2130,3860 2130,3875 2155,3900 2335,3900
AGND on Signal Layer 2 "GroundLayer" (solid, remove dead copper, pour order 20): 0.89,3904.41 3950.89,3904.41 3950.89,4.41 0.89,4.41
RELAYIN on Signal Layer 1 "RELin" (solid, remove dead copper, pour order 32): 3150,2665 3225,2740 3225,2910 3120,3015 2900,3015 2775,2890 2775,2730 2775,2705 2815,2665
M1IN on Signal Layer 1 "FETin" (solid, remove dead copper, pour order 28): 3550,3313.79 3550,3329.12 3510,3370 3255,3370 3225,3370 3160,3303.57 3160,3140.04 3160,3124.71 3310,2971.4 3315,2966.29 3315,2828.31 3465,2675 3950,2675 3950,3053.16 3920,3083.82 3710,3083.82 3625,3083.82 3550,3160.48
HP+ on Signal Layer 1 "HPin" (solid, remove dead copper, pour order 21): 3140,3475 3200,3415 3310,3415 3545,3415 3595,3365 3600,3360 3600,3195 3655,3140 3665,3130 3865,3130 3890,3130 3950,3190 3950,3900 3215,3900 3140,3825
RSENSEIN on Signal Layer 1 "Rin" (solid, remove dead copper, pour order 30): 2925,2610 2925,2480 2985,2420 3210,2195 3855,2195 3870,2195 3950,2275 3950,2540 3950,2555 3895,2610
NetP2_1 on Signal Layer 1 "HPout" (solid, remove dead copper, pour order 26): 2368.66,3785 2368.66,3830 2299.88,3900 1916.69,3900 1862.65,3900 1730,3765 1730,3560 2231.1,3050 2231.1,2975 2231.1,2915 2285.15,2860 2452.18,2860 2555.35,2965 2575,2985 2575,3230 2368.66,3440 2368.66,3485
HP- on Signal Layer 1 "HP-" (solid, remove dead copper, pour order 24): 2410,3750 2410,3825 2410,3860 2450,3900 3025,3900 3100,3825 3100,3530 3100,3425 3050,3375 2525,3375 2525,3385 2410,3500

## Keep-outs
Keep-Out Layer:
  lines w30: 15,15 3885,15 3885,3885 15,3885 15,15

## Silkscreen, mask and mechanical layers (free items; w line width, h text height)
Bottom Overlay:
  text "VDIG" at 1460,2315 h40
  text "CHARGE" at 2440,1960 h40
  text "UART" at 1975,1705 h40
  text "DISCHARGE" at 2480,1675 h40
  text "ISout" at 2780,1640 h40
  text "NRST" at 3650,970 h40
  text "SWO" at 3650,865 h40
  text "SWCLK" at 3650,770 h40
  text "SWDIO" at 3650,670 h40
  text "GND" at 3650,570 h40
  text "3v3" at 3650,470 h40
  text "2017" at 635,395 h40
  text "SEM_BMSv1.3" at 1440,320 h60
  text "Logan Horowitz" at 1435,220 h60
  text "Resistance Racing" at 1435,120 h60